# KiCad board IchnaeaV2.kicad_pcb
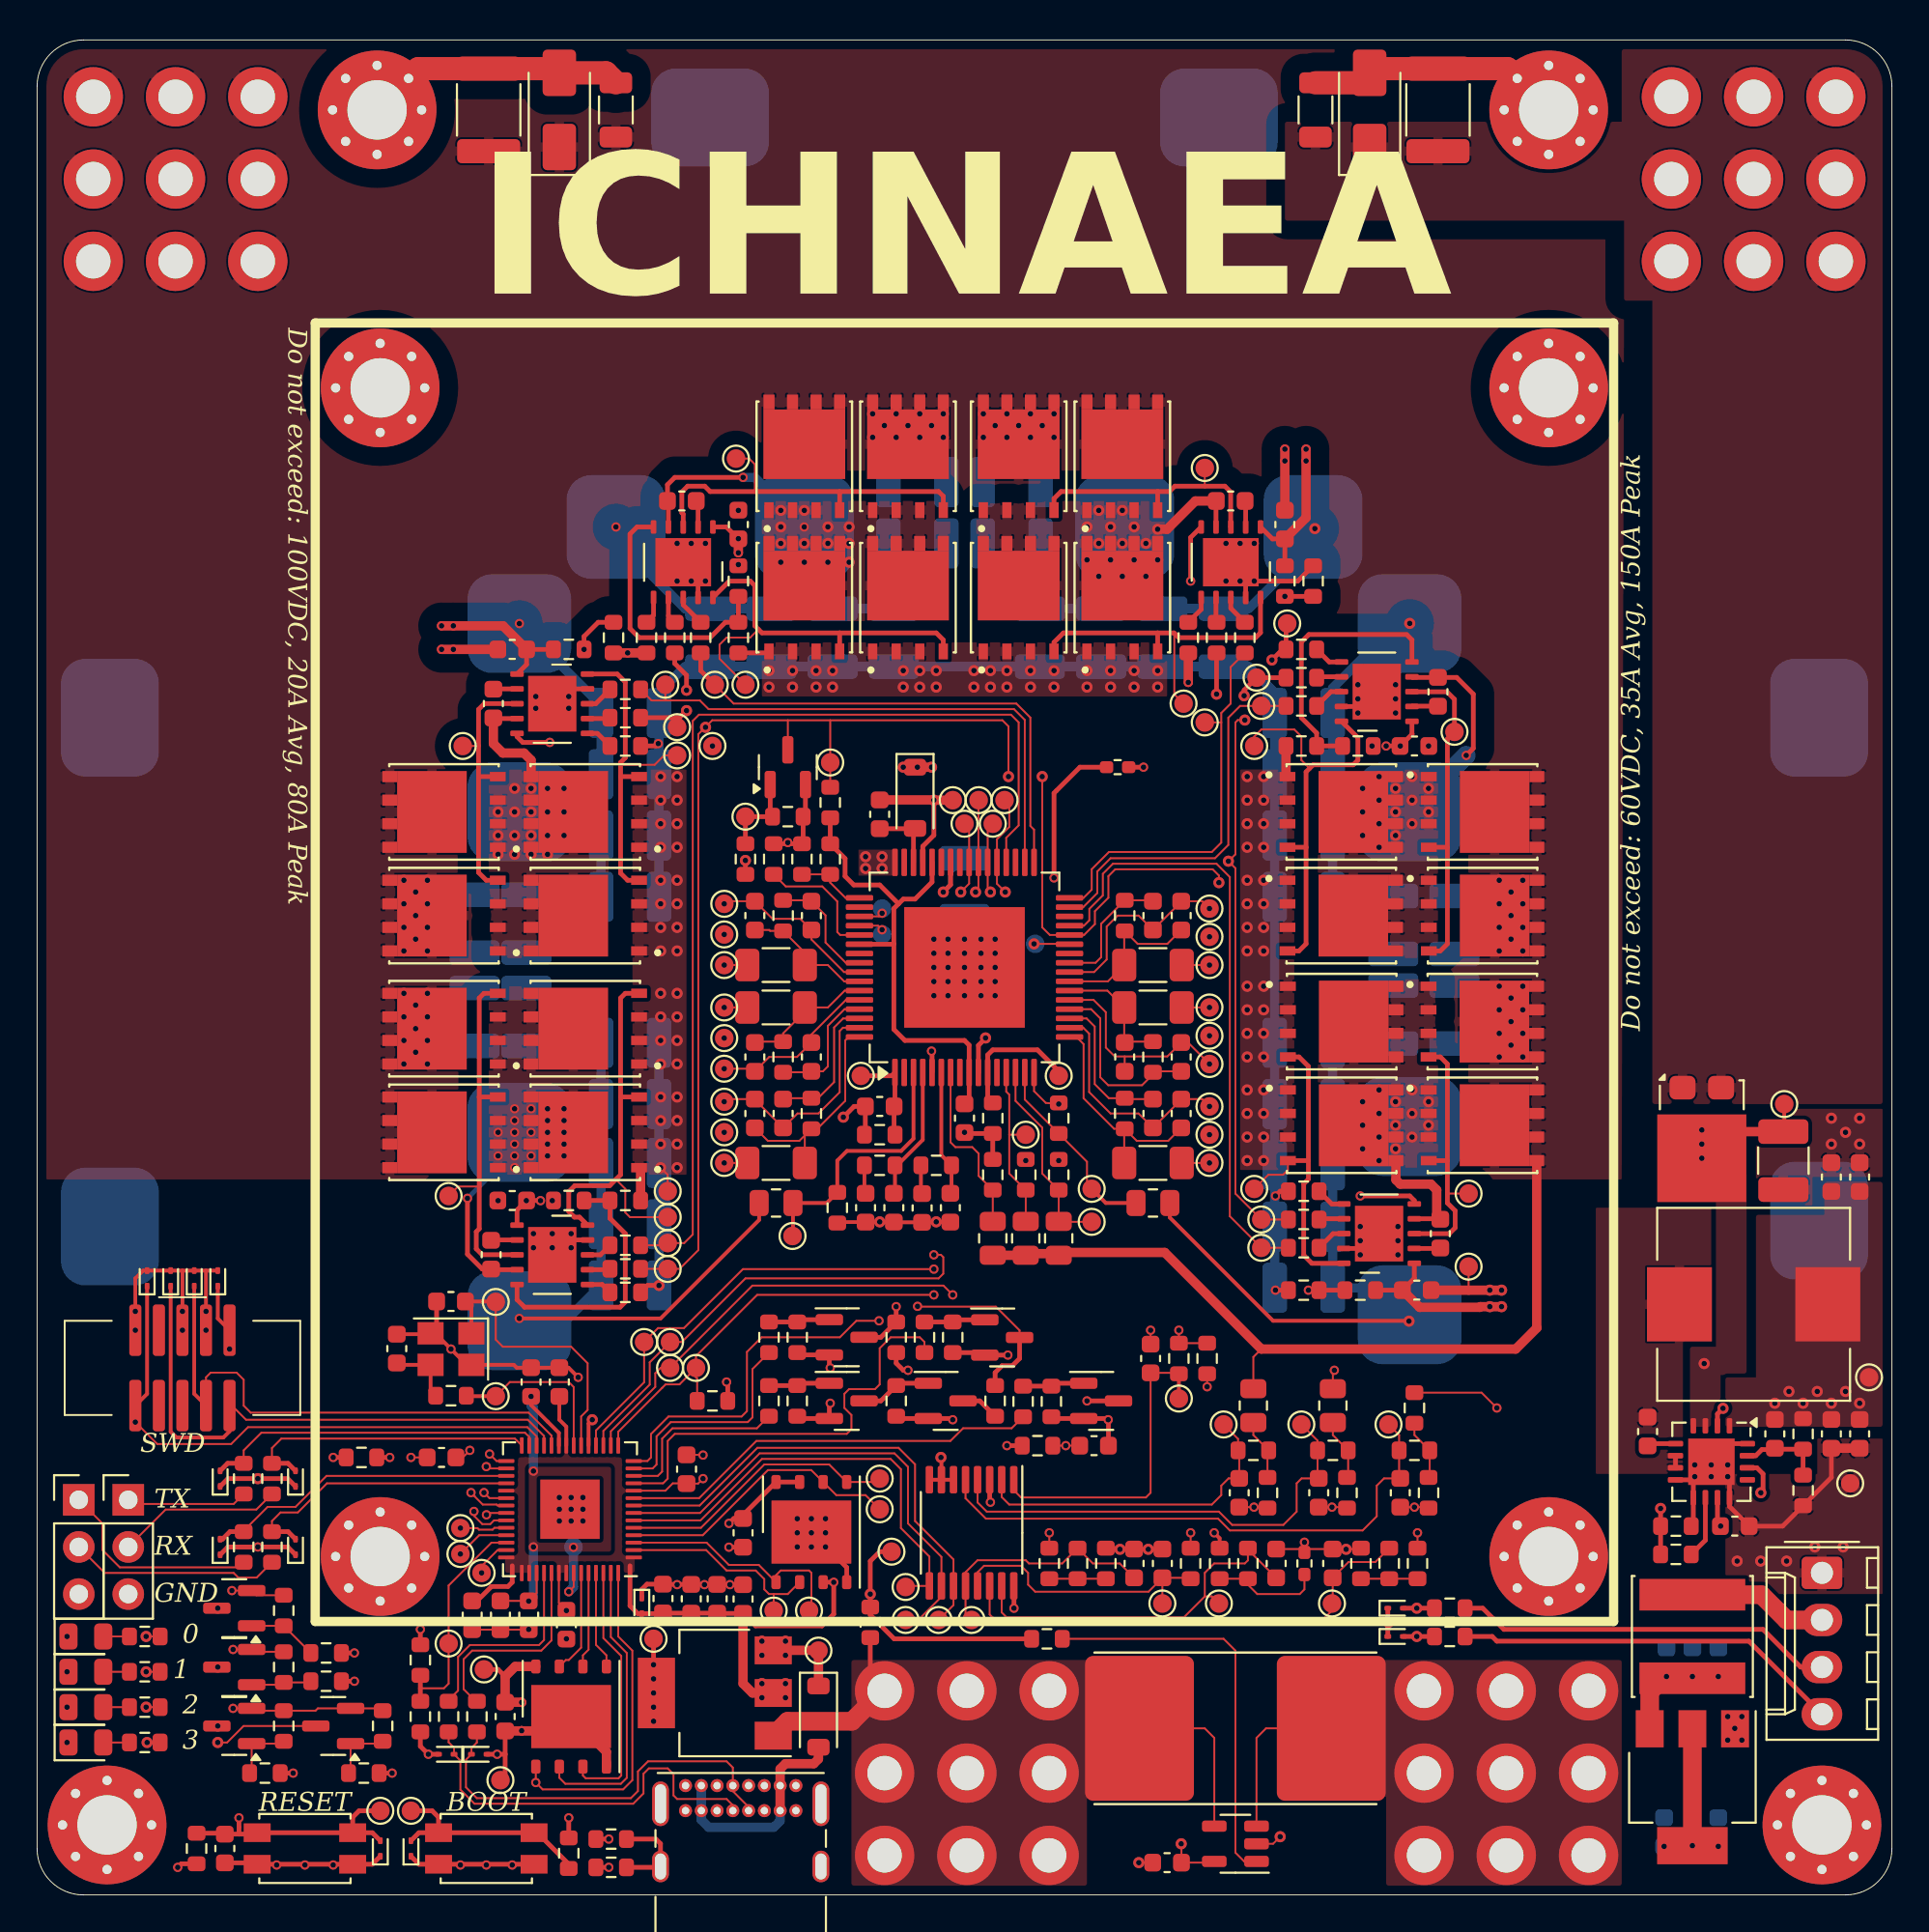
[diagram p0: board, top side]
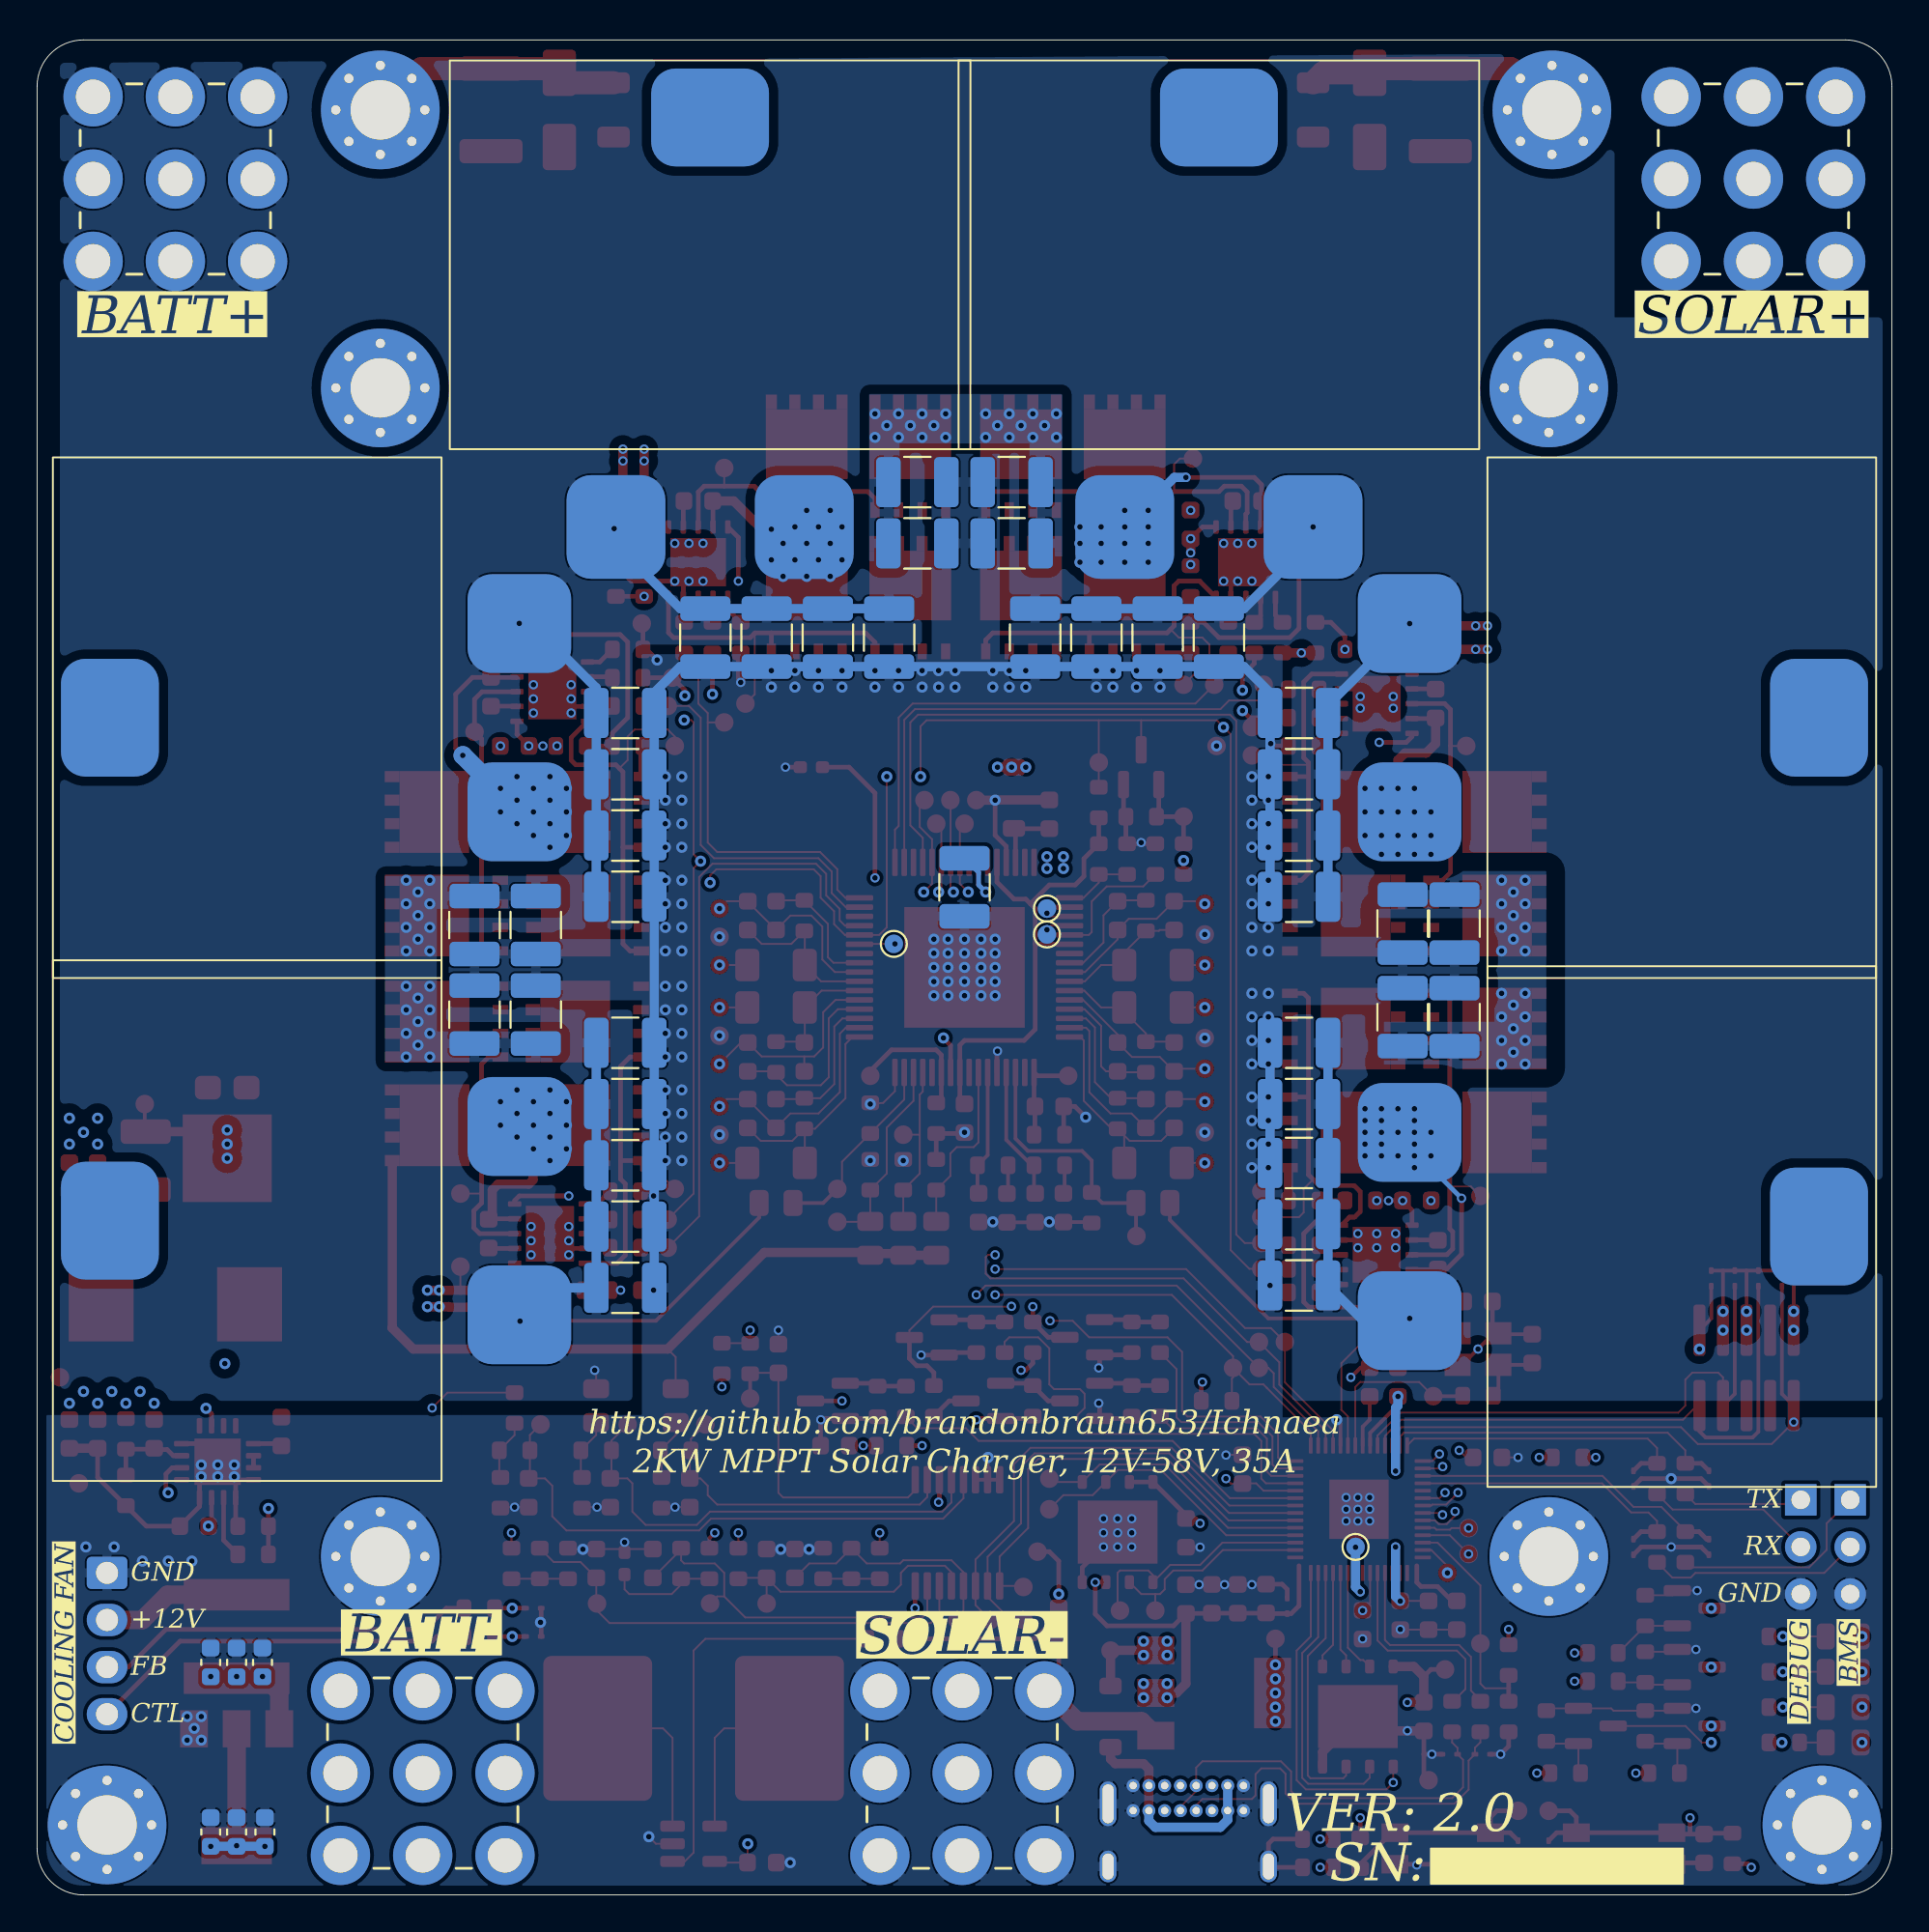
[diagram p1: board, bottom side, seen from below]

Outline 100 x 100 mm; copper layers: Top, In1.Cu, In2.Cu, Bottom. Coordinates in mm from the lower left corner of the outline.
Outline path: 0,97.5 0,2.5 arc(0.73,0.73) 2.5,0 97.5,0 arc(99.27,0.73) 100,2.5 100,97.5 arc(99.27,99.27) 97.5,100 2.5,100 arc(0.73,99.27) 0,97.5
Stack: Top 0.035mm / dielectric 0.1mm FR4 er 4.5 / In1.Cu 0.035mm / dielectric 1.24mm FR4 er 4.5 / In2.Cu 0.035mm / dielectric 0.1mm FR4 er 4.5 / Bottom 0.035mm

## Placement (name value [footprint] x y rotation side)
C1  10uF-25V  [C_0603_1608Metric]  45.43 58.25 90 top
C2  10uF-100v  [C_1210_3225Metric_Pad1.33x2.70mm_HandSolder]  94.15 39.59 270 top
C3  10uF-25V  [C_0603_1608Metric]  50 41.87 270 top
C4  10uF-100v  [C_1210_3225Metric_Pad1.33x2.70mm_HandSolder]  76.42 47.46 90 bottom
C5  10uF-100v  [C_1210_3225Metric_Pad1.33x2.70mm_HandSolder]  50 54.32 270 bottom
C6  10uF-25V  [C_0603_1608Metric]  74.38 32.6 0 top
C7  10uF-100v  [C_1210_3225Metric_Pad1.33x2.70mm_HandSolder]  23.58 47.32 90 bottom
C8  470nF  [C_0603_1608Metric]  75.65 35.65 90 top
C9  100nF  [C_0603_1608Metric]  61.68 42.13 270 top
C10  470nF  [C_0603_1608Metric]  60.16 42.13 90 top
C11  10uF-100v  [C_1210_3225Metric_Pad1.33x2.70mm_HandSolder]  68.29 45.94 180 bottom
C12  10uF-25V  [C_0603_1608Metric]  74.26 61.94 0 top
C13  10uF-100v  [C_1210_3225Metric_Pad1.33x2.70mm_HandSolder]  47.46 76.16 0 bottom
C14  470nF  [C_0603_1608Metric]  75.53 64.86 90 top
C15  100nF  [C_0603_1608Metric]  58.64 45.17 90 top
C16  470nF  [C_0603_1608Metric]  61.68 45.17 270 top
C17  10uF-100v  [C_1210_3225Metric_Pad1.33x2.70mm_HandSolder]  68.29 63.72 180 bottom
C18  10uF-25V  [C_0603_1608Metric]  67.27 73.88 90 top
C19  10uF-100v  [C_1210_3225Metric_Pad1.33x2.70mm_HandSolder]  47.46 72.86 0 bottom
C20  470nF  [C_0603_1608Metric]  64.35 75.15 180 top
C21  100nF  [C_0603_1608Metric]  61.68 52.79 270 top
C22  470nF  [C_0603_1608Metric]  60.16 52.79 90 top
C23  100nF  [C_0603_1608Metric]  10.12 2.5 270 top
C24  10uF-25V  [C_0603_1608Metric]  37.81 73.88 90 top
C25  10uF-100v  [C_1210_3225Metric_Pad1.33x2.70mm_HandSolder]  52.54 76.16 180 bottom
C26  470nF  [C_0603_1608Metric]  34.76 75.15 180 top
C27  100nF  [C_0603_1608Metric]  38.7 52.79 270 top
C28  470nF  [C_0603_1608Metric]  41.75 52.79 90 top
C29  100nF  [C_0603_1608Metric]  25.23 9.61 270 top
C30  10uF-25V  [C_0603_1608Metric]  25.62 67.14 180 top
C31  10uF-100v  [C_1210_3225Metric_Pad1.33x2.70mm_HandSolder]  52.54 72.86 180 bottom
C32  470nF  [C_0603_1608Metric]  24.6 64.22 270 top
C33  100nF  [C_0603_1608Metric]  38.7 45.17 90 top
C34  470nF  [C_0603_1608Metric]  41.75 45.17 270 top
C35  10uF-100v  [C_1210_3225Metric_Pad1.33x2.70mm_HandSolder]  31.97 57.11 0 bottom
C36  10uF-25V  [C_0603_1608Metric]  25.62 37.44 180 top
C37  10uF-100v  [C_1210_3225Metric_Pad1.33x2.70mm_HandSolder]  26.38 47.32 90 bottom
C38  470nF  [C_0603_1608Metric]  24.48 34.51 270 top
C39  100nF  [C_0603_1608Metric]  38.7 42.13 270 top
C40  470nF  [C_0603_1608Metric]  40.22 42.13 90 top
C41  10uF-100v  [C_1210_3225Metric_Pad1.33x2.70mm_HandSolder]  31.97 36.16 0 bottom
C42  10uF-100v  [C_1210_3225Metric_Pad1.33x2.70mm_HandSolder]  68.29 42.63 180 bottom
C43  10uF-100v  [C_1210_3225Metric_Pad1.33x2.70mm_HandSolder]  68.29 53.81 180 bottom
C44  10uF-100v  [C_1210_3225Metric_Pad1.33x2.70mm_HandSolder]  54.06 67.78 270 bottom
C45  10uF-100v  [C_1210_3225Metric_Pad1.33x2.70mm_HandSolder]  39.59 67.78 270 bottom
C46  10uF-100v  [C_1210_3225Metric_Pad1.33x2.70mm_HandSolder]  31.97 60.41 0 bottom
C47  10uF-100v  [C_1210_3225Metric_Pad1.33x2.70mm_HandSolder]  31.97 32.86 0 bottom
C48  10uF-100v  [C_1210_3225Metric_Pad1.33x2.70mm_HandSolder]  68.29 39.33 180 bottom
C49  15pF  [C_0603_1608Metric]  22.31 31.99 0 top
C50  10uF-100v  [C_1210_3225Metric_Pad1.33x2.70mm_HandSolder]  57.37 67.78 270 bottom
C51  10uF-100v  [C_1210_3225Metric_Pad1.33x2.70mm_HandSolder]  42.89 67.78 270 bottom
C52  15pF  [C_0603_1608Metric]  19.39 29.45 270 top
C53  10uF-100v  [C_1210_3225Metric_Pad1.33x2.70mm_HandSolder]  31.97 45.94 0 bottom
C54  10uF-100v  [C_1210_3225Metric_Pad1.33x2.70mm_HandSolder]  68.29 36.03 180 bottom
C55  10uF-100v  [C_1210_3225Metric_Pad1.33x2.70mm_HandSolder]  68.29 57.11 180 bottom
C56  10uF-100v  [C_1210_3225Metric_Pad1.33x2.70mm_HandSolder]  60.67 67.78 270 bottom
C57  10uF-100v  [C_1210_3225Metric_Pad1.33x2.70mm_HandSolder]  36.28 67.78 270 bottom
C58  10uF-100v  [C_1210_3225Metric_Pad1.33x2.70mm_HandSolder]  31.97 53.81 0 bottom
C59  10uF-100v  [C_1210_3225Metric_Pad1.33x2.70mm_HandSolder]  31.97 42.63 0 bottom
C60  10uF-100v  [C_1210_3225Metric_Pad1.33x2.70mm_HandSolder]  68.29 32.73 180 bottom
C61  10uF-100v  [C_1210_3225Metric_Pad1.33x2.70mm_HandSolder]  68.29 60.41 180 bottom
C62  10uF-100v  [C_1210_3225Metric_Pad1.33x2.70mm_HandSolder]  63.97 67.78 270 bottom
C63  10uF-100v  [C_1210_3225Metric_Pad1.33x2.70mm_HandSolder]  46.19 67.78 270 bottom
C64  10uF-100v  [C_1210_3225Metric_Pad1.33x2.70mm_HandSolder]  31.97 63.72 0 bottom
C65  10uF-100v  [C_1210_3225Metric_Pad1.33x2.70mm_HandSolder]  31.97 39.46 0 bottom
C66  100nF  [C_0603_1608Metric]  45.43 42.51 180 top
C67  47pF  [C_0603_1608Metric]  49.24 37.05 270 top
C68  47pF  [C_0603_1608Metric]  46.19 37.05 270 top
C69  100nF  [C_0603_1608Metric]  47.71 37.03 270 top
C70  100nF  [C_0603_1608Metric]  44.67 37.05 270 top
C71  10uF-100v  [C_1210_3225Metric_Pad1.33x2.70mm_HandSolder]  73.11 47.46 90 bottom
C72  10uF-100v  [C_1210_3225Metric_Pad1.33x2.70mm_HandSolder]  23.58 52.36 270 bottom
C73  10uF-100v  [C_1210_3225Metric_Pad1.33x2.70mm_HandSolder]  26.38 52.36 270 bottom
C74  100nF  [C_0603_1608Metric]  24.98 15.07 270 top
C75  10uF-25V  [C_0603_1608Metric]  91.53 19.88 0 top
C76  100nF  [C_0603_1608Metric]  86.83 24.98 90 top
C77  47pF  [C_0603_1608Metric]  93.69 24.85 90 top
C78  10uF-25V  [C_0603_1608Metric]  96.74 24.85 270 top
C79  10uF-25V  [C_0603_1608Metric]  98.26 24.85 270 top
C80  10uF-25V  [C_0603_1608Metric]  98.26 38.7 90 top
C81  10uF-25V  [C_0603_1608Metric]  96.74 38.7 90 top
C82  10uF-100v  [C_1210_3225Metric_Pad1.33x2.70mm_HandSolder]  73.11 52.29 270 bottom
C83  10uF-100v  [C_1210_3225Metric_Pad1.33x2.70mm_HandSolder]  76.42 52.29 270 bottom
C84  100nF  [C_0603_1608Metric]  26.63 27.65 90 top
C85  10uF-25V  [C_0603_1608Metric]  26.5 15.07 270 top
C86  100nF  [C_0603_1608Metric]  28.54 14.57 270 top
C87  10uF-25V  [C_0603_1608Metric]  33.74 15.98 90 top
C88  100nF  [C_0603_1608Metric]  28.16 27.65 90 top
C89  100nF  [C_0603_1608Metric]  21.81 23.58 180 top
C90  10uF-25V  [C_0603_1608Metric]  90.64 12.53 90 bottom
C91  100nF  [C_0603_1608Metric]  35.01 22.95 90 top
C92  100nF  [C_0603_1608Metric]  60.92 1.74 180 top
C93  10uF-25V  [C_0603_1608Metric]  90.64 3.39 90 bottom
C94  100nF  [C_0603_1608Metric]  23.46 15.07 270 top
C95  10uF-25V  [C_0603_1608Metric]  38.06 15.95 90 top
C96  100nF  [C_0603_1608Metric]  66.8 17.87 90 top
C97  100nF  [C_0603_1608Metric]  60.03 28.92 90 top
C98  100nF  [C_0603_1608Metric]  69.1 21.68 270 top
C99  100nF  [C_0603_1608Metric]  64.81 21.68 270 top
C100  100nF  [C_0603_1608Metric]  59.14 17.87 90 top
C101  100nF  [C_0603_1608Metric]  69.85 17.87 90 top
C102  100nF  [C_0603_1608Metric]  60.67 17.87 90 top
C103  100nF  [C_0603_1608Metric]  73.5 21.68 270 top
C104  100nF  [C_0603_1608Metric]  56.99 24.22 0 top
C105  10uF-25V  [C_0603_1608Metric]  89.24 12.53 90 bottom
C106  10uF-25V  [C_0603_1608Metric]  87.85 12.53 90 bottom
C107  10uF-25V  [C_0603_1608Metric]  89.24 3.39 90 bottom
C108  10uF-25V  [C_0603_1608Metric]  87.72 3.39 90 bottom
C109  10uF-25V  [C_0603_1608Metric]  36.66 15.96 90 top
C110  10uF-25V  [C_0603_1608Metric]  35.27 15.96 90 top
C111  100nF  [C_0603_1608Metric]  38.06 19.52 270 top
D1  SB10100L  [TO-277A]  89.75 40.75 0 top
D2  ESD9B5.0ST5G  [D_SOD-923]  5.93 33.24 90 top
D3  ESD9B5.0ST5G  [D_SOD-923]  8.47 33.24 90 top
D4  PMEG10010ELRX  [D_SOD-123]  42.13 9.61 270 top
D5  Yellow LED  [LED_0805_2012Metric]  2.63 13.93 0 top
D6  Yellow LED  [LED_0805_2012Metric]  2.63 12.03 0 top
D7  Green LED  [LED_0805_2012Metric]  2.63 10.12 0 top
D8  Green LED  [LED_0805_2012Metric]  2.63 8.22 0 top
D9  ESD9B3.3ST5G  [D_SOD-923]  9.87 18.76 90 top
D10  PMEG10010ELRX  [D_SOD-123]  47.33 59.14 270 top
D11  ESD9B3.3ST5G  [D_SOD-923]  13.93 18.76 90 top
D12  ESD9B3.3ST5G  [D_SOD-923]  13.93 22.44 90 top
D13  ESD9B3.3ST5G  [D_SOD-923]  9.87 22.44 90 top
D14  ESD9B3.3ST5G  [D_SOD-923]  73.24 13.93 0 top
D15  ESD9B3.3ST5G  [D_SOD-923]  73.24 15.46 0 top
D16  ESD9B3.3ST5G  [D_SOD-923]  20.16 2.5 90 top
D17  ESD9B3.3ST5G  [D_SOD-923]  18.5 2.5 90 top
D18  ESD9B3.3ST5G  [D_SOD-923]  32.6 15.58 270 top
D19  ESD9B5.0ST5G  [D_SOD-923]  22.06 7.58 180 top
D20  ESD9B5.0ST5G  [D_SOD-923]  23.84 7.58 0 top
D21  ESD9B5.0ST5G  [D_SOD-923]  7.2 33.24 90 top
D22  SMAJ90A  [D_SMA]  28.16 96.23 90 top
D23  SMAJ60A  [D_SMA]  71.84 96.23 90 top
D24  ESD9B5.0ST5G  [D_SOD-923]  9.74 33.24 90 top
GD1  90V-2kA  [Fuse_1812_4532Metric_Pad1.30x3.40mm_HandSolder]  24.35 96.23 270 top
GD2  90V-2kA  [Fuse_1812_4532Metric_Pad1.30x3.40mm_HandSolder]  75.53 96.23 270 top
H1  MountingHole_Pad  [MountingHole_3.2mm_M3_Pad_Via]  18.5 81.24 0 top
H2  MountingHole_Pad  [MountingHole_3.2mm_M3_Pad_Via]  81.5 81.24 0 top
H3  MountingHole_Pad  [MountingHole_3.2mm_M3_Pad_Via]  18.5 18.24 0 top
H4  MountingHole_Pad  [MountingHole_3.2mm_M3_Pad_Via]  81.5 18.24 0 top
H5  MountingHole_Pad  [MountingHole_3.2mm_M3_Pad_Via]  3.77 3.77 0 top
H6  MountingHole_Pad  [MountingHole_3.2mm_M3_Pad_Via]  18.33 96.23 0 top
H7  MountingHole_Pad  [MountingHole_3.2mm_M3_Pad_Via]  81.5 96.23 0 top
H8  MountingHole_Pad  [MountingHole_3.2mm_M3_Pad_Via]  96.23 3.77 0 top
J1  Screw_Terminal_01x09  [CONN_74651195R_WRE]  11.9 96.94 180 bottom
J2  Screw_Terminal_01x09  [CONN_74651195R_WRE]  96.98 96.94 180 bottom
J3  Screw_Terminal_01x09  [CONN_74651195R_WRE]  54.56 11 180 bottom
J4  SWD Debug  [JTAG_2x05_P1_27mm_Shrouded_SMD]  7.84 28.41 180 top
J5  FanConnector  [Molex_KK-254_AE-6410-04A_1x04_P2.54mm_Vertical]  96.23 17.36 270 top
J6  Debug  [PinHeader_1x03_P2.54mm_Vertical]  2.25 21.3 0 top
J7  BMS_Serial  [PinHeader_1x03_P2.54mm_Vertical]  4.92 21.3 0 top
J8  Screw_Terminal_01x09  [CONN_74651195R_WRE]  83.65 11 180 bottom
L1  4.7uH  [Bournes_L_PQ2614BLA]  88.35 36.35 90 bottom
L2  4.7uH  [Bournes_L_PQ2614BLA]  88.35 63.46 90 bottom
L3  4.7uH  [Bournes_L_PQ2614BLA]  63.72 88.1 180 bottom
L4  4.7uH  [Bournes_L_PQ2614BLA]  36.28 88.1 180 bottom
L5  4.7uH  [Bournes_L_PQ2614BLA]  11.65 63.46 270 bottom
L6  4.7uH  [Bournes_L_PQ2614BLA]  11.65 36.03 270 bottom
L7  22uH  [L_Wuerth_HCI-1040]  92.54 31.84 0 top
L8  1.5mH  [L_Changjiang_FNR6045S]  89.24 13.93 270 top
P1  USB_C_Plug_USB2.0  [USB_C_Receptacle_GCT_USB4085]  34.96 5.89 0 top
Q1  BSS138  [SOT-23]  40.47 60.8 90 top
Q2  MCAC80N10Y  [TRANS_BSC076N06NS3-G]  77.92 47.08 0 top
Q3  MCAC80N10Y  [TRANS_BSC076N06NS3-G]  70.34 47.08 0 top
Q4  MCAC80N10Y  [TRANS_BSC076N06NS3-G]  77.93 41.49 0 top
Q5  MCAC80N10Y  [TRANS_BSC076N06NS3-G]  70.34 41.49 0 top
Q6  MCAC80N10Y  [TRANS_BSC076N06NS3-G]  77.93 52.79 0 top
Q7  MCAC80N10Y  [TRANS_BSC076N06NS3-G]  70.31 52.79 0 top
Q8  MCAC80N10Y  [TRANS_BSC076N06NS3-G]  77.93 58.38 0 top
Q9  MCAC80N10Y  [TRANS_BSC076N06NS3-G]  70.31 58.38 0 top
Q10  MCAC80N10Y  [TRANS_BSC076N06NS3-G]  52.92 77.56 90 top
Q11  MCAC80N10Y  [TRANS_BSC076N06NS3-G]  58.51 69.94 90 top
Q12  MCAC80N10Y  [TRANS_BSC076N06NS3-G]  58.51 77.56 90 top
Q13  MCAC80N10Y  [TRANS_BSC076N06NS3-G]  52.92 69.94 90 top
Q14  MCAC80N10Y  [TRANS_BSC076N06NS3-G]  46.95 77.56 90 top
Q15  MCAC80N10Y  [TRANS_BSC076N06NS3-G]  41.36 69.94 90 top
Q16  MCAC80N10Y  [TRANS_BSC076N06NS3-G]  41.36 77.56 90 top
Q17  MCAC80N10Y  [TRANS_BSC076N06NS3-G]  46.95 69.94 90 top
Q18  MCAC80N10Y  [TRANS_BSC076N06NS3-G]  21.94 58.38 180 top
Q19  MCAC80N10Y  [TRANS_BSC076N06NS3-G]  29.56 52.79 180 top
Q20  MCAC80N10Y  [TRANS_BSC076N06NS3-G]  21.94 52.79 180 top
Q21  MCAC80N10Y  [TRANS_BSC076N06NS3-G]  29.56 58.38 180 top
Q22  MCAC80N10Y  [TRANS_BSC076N06NS3-G]  21.94 46.7 180 top
Q23  MCAC80N10Y  [TRANS_BSC076N06NS3-G]  29.56 46.7 180 top
Q24  MCAC80N10Y  [TRANS_BSC076N06NS3-G]  21.94 41.11 180 top
Q25  MCAC80N10Y  [TRANS_BSC076N06NS3-G]  29.56 41.11 180 top
Q26  BSS138  [SOT-23]  43.65 26.63 0 top
Q27  BSS84  [SOT-23]  48.98 26.63 0 top
Q28  BSS138  [SOT-23]  52.03 30.05 0 top
Q29  BSS138  [SOT-23]  43.65 30.06 0 top
Q30  BSS138  [SOT-23]  57.37 26.63 0 top
Q31  BSS138  [SOT-23]  10.63 15.46 180 top
Q32  BSS138  [SOT-23]  10.63 12.28 180 top
Q33  BSS138  [SOT-23]  10.63 9.11 180 top
Q34  BSS138  [SOT-23]  15.96 9.11 180 top
R1  1k  [R_0603_1608Metric]  42.76 58.89 270 top
R2  10k  [R_0603_1608Metric]  40.47 58.13 180 top
R3  100  [R_0603_1608Metric]  38.19 55.84 270 top
R4  0  [R_0603_1608Metric]  68.29 36.41 180 top
R5  47k  [R_0603_1608Metric]  68.29 37.94 0 top
R6  6.2k-0.25w  [R_1206_3216Metric_Pad1.30x1.75mm_HandSolder]  60.16 39.46 180 top
R7  6.2k  [R_0603_1608Metric]  58.64 42.13 270 top
R8  0  [R_0603_1608Metric]  68.16 65.62 180 top
R9  47k  [R_0603_1608Metric]  68.16 67.14 0 top
R10  6.2k-0.25w  [R_1206_3216Metric_Pad1.30x1.75mm_HandSolder]  60.16 47.84 180 top
R11  6.2k  [R_0603_1608Metric]  60.16 45.17 90 top
R12  0  [R_0603_1608Metric]  63.59 67.78 270 top
R13  47k  [R_0603_1608Metric]  62.06 67.78 90 top
R14  6.2k-0.25w  [R_1206_3216Metric_Pad1.30x1.75mm_HandSolder]  60.16 50.13 180 top
R15  6.2k  [R_0603_1608Metric]  58.64 52.79 270 top
R16  0  [R_0603_1608Metric]  34.38 67.78 270 top
R17  47k  [R_0603_1608Metric]  32.86 67.78 90 top
R18  6.2k-0.25w  [R_1206_3216Metric_Pad1.30x1.75mm_HandSolder]  39.84 50.13 0 top
R19  6.2k  [R_0603_1608Metric]  40.22 52.79 270 top
R20  0  [R_0603_1608Metric]  35.78 67.78 270 top
R21  47k  [R_0603_1608Metric]  31.71 61.94 180 top
R22  6.2k-0.25w  [R_1206_3216Metric_Pad1.30x1.75mm_HandSolder]  39.84 47.84 0 top
R23  6.2k  [R_0603_1608Metric]  40.22 45.17 90 top
R24  6.2k  [R_0603_1608Metric]  31.71 37.44 0 top
R25  47k  [R_0603_1608Metric]  31.71 32.48 180 top
R26  6.2k-0.25w  [R_1206_3216Metric_Pad1.30x1.75mm_HandSolder]  39.84 39.46 0 top
R27  6.2k  [R_0603_1608Metric]  41.75 42.13 270 top
R28  22k  [R_0603_1608Metric]  51.52 41.87 90 top
R29  10k  [R_0603_1608Metric]  42.76 55.84 90 top
R30  30k  [R_0603_1608Metric]  41.24 55.84 270 top
R31  470k  [R_0805_2012Metric]  39.84 37.3 180 top
R32  15k  [R_0603_1608Metric]  43.14 37.05 90 top
R33  787k  [R_0805_2012Metric]  53.3 35.39 90 top
R34  120k  [R_0805_2012Metric]  55.08 35.39 90 top
R35  470k  [R_0805_2012Metric]  60.16 37.3 180 top
R36  10k  [R_0603_1608Metric]  53.3 38.82 270 top
R37  10k  [R_0603_1608Metric]  55.08 38.82 270 top
R38  10k  [R_0603_1608Metric]  55.08 41.87 270 top
R39  787k  [R_0805_2012Metric]  51.52 35.39 90 top
R40  10k  [R_0603_1608Metric]  51.52 38.82 270 top
R41  100  [R_0603_1608Metric]  39.46 26.63 270 top
R42  100  [R_0603_1608Metric]  47.84 30.06 270 top
R43  10k  [R_0603_1608Metric]  40.98 26.63 90 top
R44  10k  [R_0603_1608Metric]  46.32 26.63 270 top
R45  10k  [R_0603_1608Metric]  49.37 30.06 90 top
R46  10k  [R_0603_1608Metric]  51.65 26.63 90 top
R47  3k  [R_0603_1608Metric]  48.48 39.33 0 top
R48  1k  [R_0603_1608Metric]  45.43 39.33 0 top
R49  100  [R_0603_1608Metric]  39.46 30.06 270 top
R50  10k  [R_0603_1608Metric]  40.98 30.06 90 top
R51  1k  [R_0603_1608Metric]  46.32 30.06 270 top
R52  68k  [R_0603_1608Metric]  39.71 55.84 270 top
R53  100k  [R_1206_3216Metric]  31.2 96.23 90 top
R54  0  [R_0603_1608Metric]  31.71 35.02 0 top
R55  100k  [R_1206_3216Metric]  68.92 96.23 90 top
R56  0  [R_0603_1608Metric]  31.71 33.75 0 top
R57  68k  [R_0603_1608Metric]  88.35 19.88 0 top
R58  510k  [R_0603_1608Metric]  88.35 18.36 0 top
R59  7.5k  [R_0603_1608Metric]  95.21 21.81 270 top
R60  100k  [R_0603_1608Metric]  95.21 24.85 90 top
R61  10k  [R_0603_1608Metric]  28.66 37.44 0 top
R62  0  [R_0603_1608Metric]  31.71 63.46 0 top
R63  0  [R_0603_1608Metric]  31.71 64.99 0 top
R64  10k  [R_0603_1608Metric]  28.66 67.14 0 top
R65  6.2k  [R_0603_1608Metric]  31.08 67.78 270 top
R66  10k  [R_0603_1608Metric]  37.81 70.83 270 top
R67  6.2k  [R_0603_1608Metric]  37.81 67.78 270 top
R68  0  [R_0603_1608Metric]  65.11 67.78 270 top
R69  10k  [R_0603_1608Metric]  67.27 70.83 270 top
R70  6.2k  [R_0603_1608Metric]  68.8 70.83 90 top
R71  0  [R_0603_1608Metric]  68.16 64.1 180 top
R72  10k  [R_0603_1608Metric]  71.21 61.94 180 top
R73  6.2k  [R_0603_1608Metric]  68.16 61.94 180 top
R74  0  [R_0603_1608Metric]  68.29 34.89 180 top
R75  10k  [R_0603_1608Metric]  71.34 32.6 180 top
R76  6.2k  [R_0603_1608Metric]  68.29 32.6 180 top
R77  10k  [R_0603_1608Metric]  63.08 28.92 270 top
R78  470k  [R_0805_2012Metric]  69.86 26.38 90 top
R79  27k  [R_0603_1608Metric]  70.62 21.68 90 top
R80  10k  [R_0603_1608Metric]  63.75 17.87 90 top
R81  470k  [R_0805_2012Metric]  65.57 26.38 90 top
R82  15k  [R_0603_1608Metric]  66.34 21.68 90 top
R83  100  [R_0603_1608Metric]  53.16 26.6 270 top
R84  10k  [R_0603_1608Metric]  28.66 2.25 90 top
R85  1k  [R_0603_1608Metric]  36.41 26.63 0 top
R86  10k  [R_0603_1608Metric]  54.68 26.6 90 top
R87  100k  [R_0603_1608Metric]  65.28 17.87 90 top
R88  100k  [R_0603_1608Metric]  61.56 28.92 270 top
R89  10k  [R_0603_1608Metric]  8.6 2.5 270 top
R90  5.1k  [R_0603_1608Metric]  30.95 1.49 180 top
R91  100k  [R_0603_1608Metric]  69.86 23.97 180 top
R92  5.1k  [R_0603_1608Metric]  30.95 3.01 180 top
R93  100k  [R_0603_1608Metric]  45.43 40.98 0 top
R94  100  [R_0603_1608Metric]  17.61 6.57 0 top
R95  1k  [R_0603_1608Metric]  22.31 26.91 0 top
R96  10k  [R_0603_1608Metric]  17.49 23.58 0 top
R97  100  [R_0603_1608Metric]  76.16 13.93 180 top
R98  22  [R_0603_1608Metric]  22.19 9.61 270 top
R99  22  [R_0603_1608Metric]  23.71 9.61 270 top
R100  100  [R_0603_1608Metric]  11.14 18.76 90 top
R101  100  [R_0603_1608Metric]  12.66 18.76 90 top
R102  510  [R_0603_1608Metric]  5.8 13.93 180 top
R103  510  [R_0603_1608Metric]  5.8 12.03 180 top
R104  510  [R_0603_1608Metric]  5.8 10.12 180 top